# Altium PCB LJ_Mosfet_Power.PcbDoc (part 1 of 5) (continued)
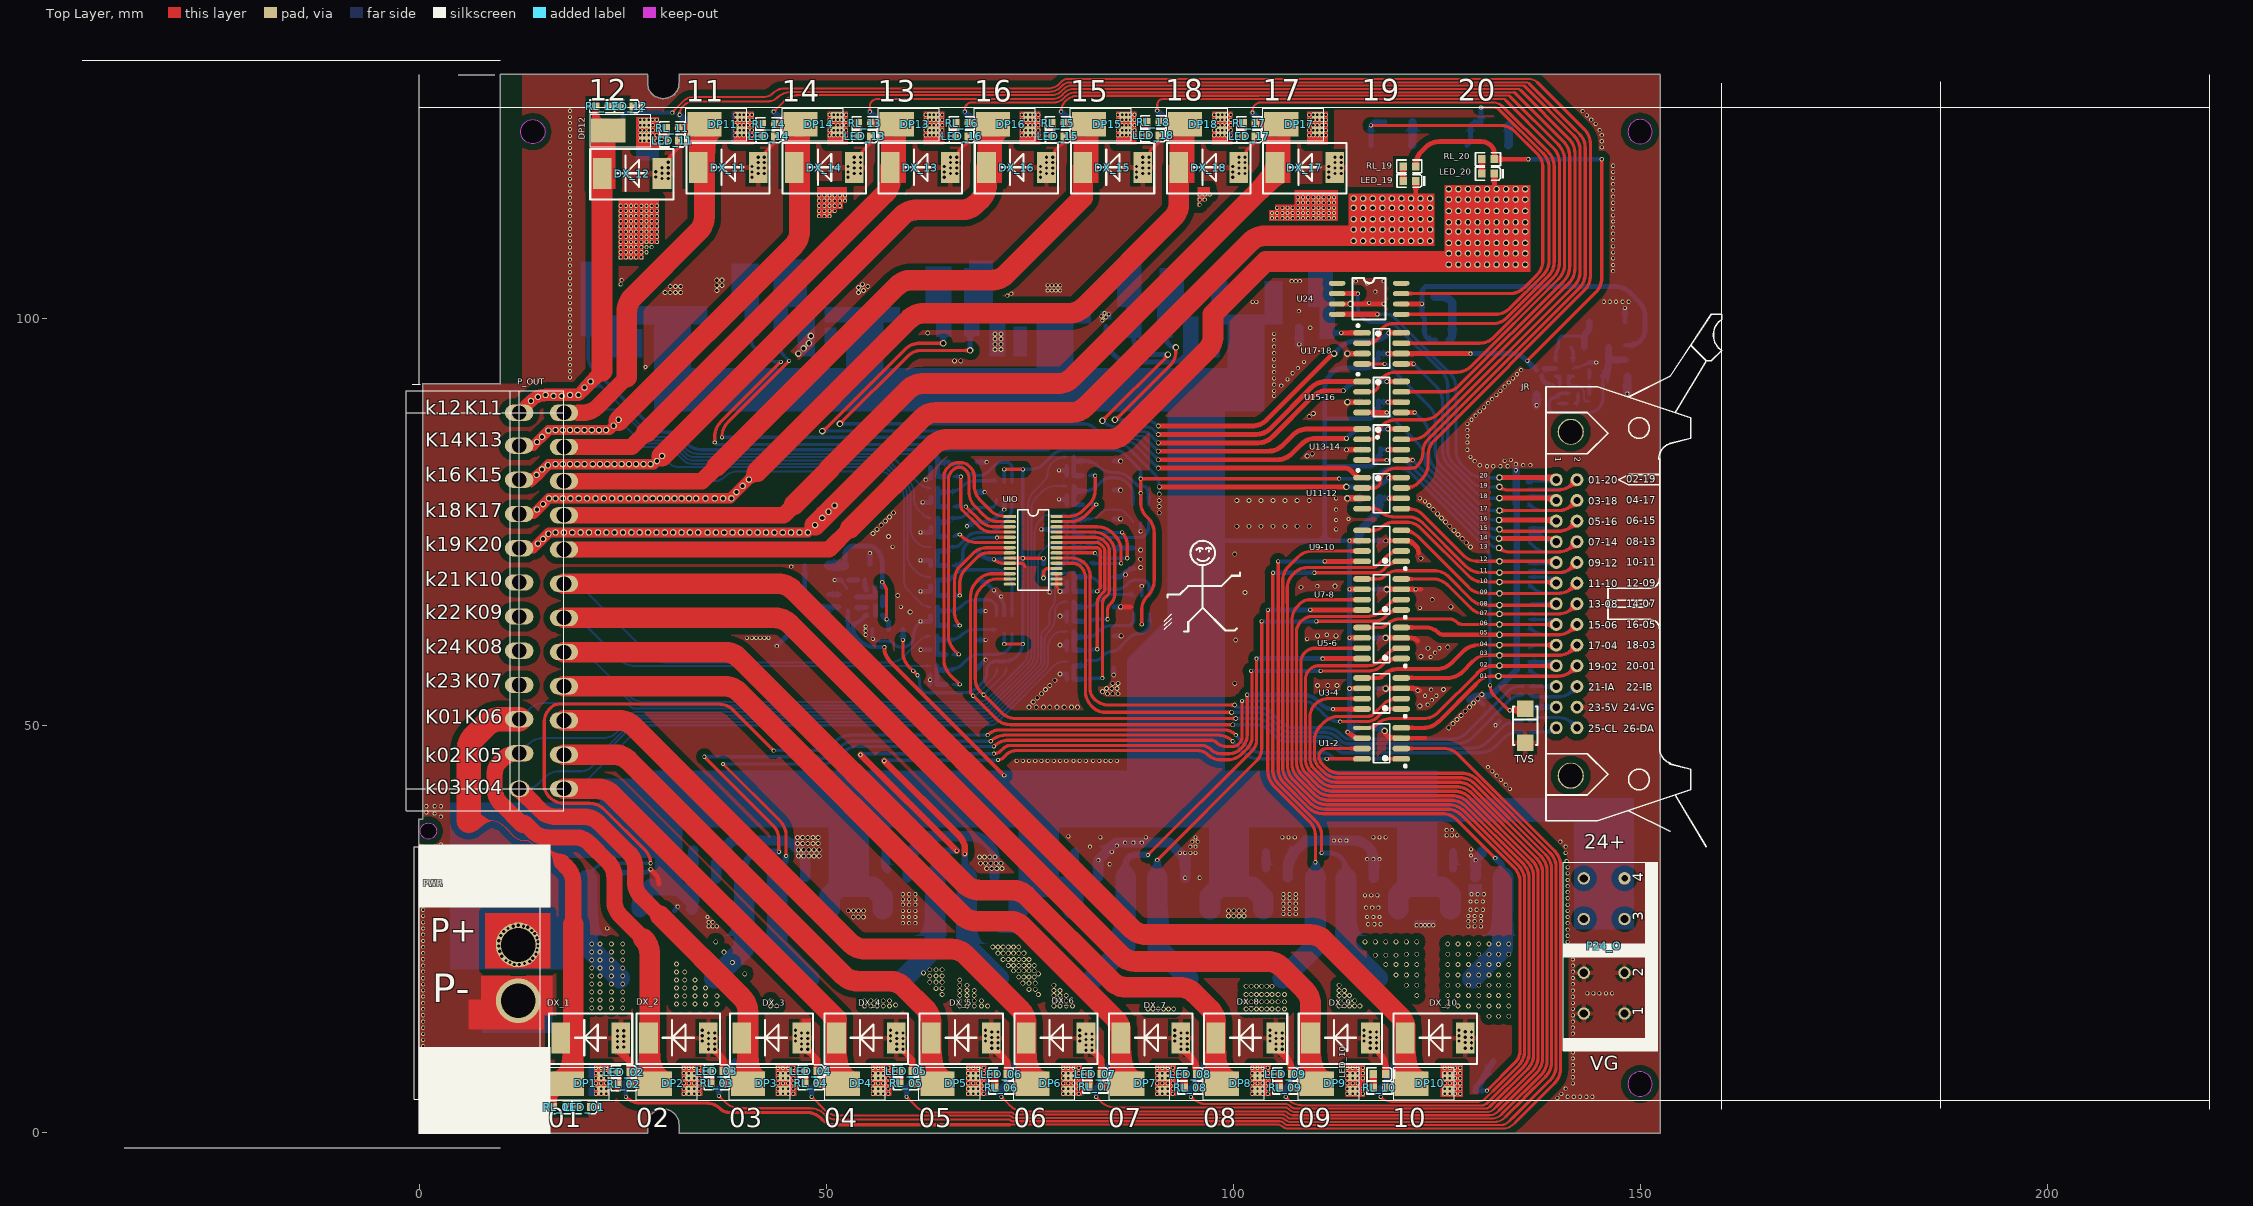
[diagram p0: Top Layer view]
## Components (designator, comment, footprint, x,y, rotation, side; value= is the part's Value field where it differs from the comment) (continued)
PWR "2W202" 2W2公90度带支架锁螺丝 -0.608,35.17 r270 top locked
QP1 "STB120NF10" "DPAK2 /to263"#1 24.638,19 r180 bottom
QP2 "STB120NF10" "DPAK2 /to263"#1 36.28,19 r180 bottom
QP3 "STB120NF10" "DPAK2 /to263"#1 47.921,19 r180 bottom
QP4 "STB120NF10" "DPAK2 /to263"#1 59.563,19 r180 bottom
QP5 "STB120NF10" "DPAK2 /to263"#2 71.205,19 r180 bottom
QP6 "STB120NF10" "DPAK2 /to263"#1 82.846,19 r180 bottom
QP7 "STB120NF10" "DPAK2 /to263"#1 94.488,19 r180 bottom
QP8 "STB120NF10" "DPAK2 /to263"#1 106.13,19 r180 bottom
QP9 "STB120NF10" "DPAK2 /to263"#1 117.771,19 r180 bottom
QP10 "STB120NF10" "DPAK2 /to263"#1 129.413,19 r180 bottom
QP11 "STB120NF10" "DPAK2 /to263"#1 36.905,111.109 r0 bottom
QP12 "STB120NF10" "DPAK2 /to263"#1 25.11,111.109 r0 bottom
QP13 "STB120NF10" "DPAK2 /to263"#1 60.494,111.109 r0 bottom
QP14 "STB120NF10" "DPAK2 /to263"#1 48.699,111.109 r0 bottom
QP15 "STB120NF10" "DPAK2 /to263"#1 84.084,111.109 r0 bottom
QP16 "STB120NF10" "DPAK2 /to263"#1 72.289,111.109 r0 bottom
QP17 "STB120NF10" "DPAK2 /to263"#1 107.673,111.109 r0 bottom
QP18 "STB120NF10" "DPAK2 /to263"#1 95.879,111.109 r0 bottom
QP19 "STB120NF10" "DPAK2 /to263"#1 119.468,111.109 r0 bottom
QP20 "STB120NF10" "DPAK2 /to263"#1 131.263,111.109 r0 bottom
R1 "1KΩ (1001) ±1%" 0402_R 81.998,73.644 r180 bottom
R1-2 "1KΩ (1001) ±1%" 0805_R 33.655,31.48 r90 bottom
R2 "15KΩ (1502) ±1%" 0402_R 79.994,73.644 r0 bottom
R3 "100KΩ (1003) ±1%" 0402_R 79.994,75.93 r180 bottom
R3-4 "1KΩ (1001) ±1%" 0805_R 57.531,31.48 r90 bottom
R4 "1KΩ (1001) ±1%" 0402_R 82.042,66.532 r180 bottom
R5 "15KΩ (1502) ±1%" 0402_R 79.994,66.532 r0 bottom
R5-6 "1KΩ (1001) ±1%" 0805_R 80.899,31.48 r90 bottom
R6 "100KΩ (1003) ±1%" 0402_R 79.994,68.818 r180 bottom
R7 "1KΩ (1001) ±1%" 0402_R 81.915,59.293 r180 bottom
R7-8 "1KΩ (1001) ±1%" 0805_R 104.267,31.48 r90 bottom
R8 "15KΩ (1502) ±1%" 0402_R 79.994,59.293 r0 bottom
R9 "100KΩ (1003) ±1%" 0402_R 79.994,61.579 r180 bottom
R9-10 "1KΩ (1001) ±1%" 0805_R 127.254,31.48 r90 bottom
R10 "1KΩ (1001) ±1%" 0402_R 81.915,55.737 r180 bottom
R11 "15KΩ (1502) ±1%" 0402_R 79.994,55.737 r0 bottom
R11-12 "1KΩ (1001) ±1%" 0805_R 26.67,99.043 r270 bottom
R12 "100KΩ (1003) ±1%" 0402_R 79.994,57.896 r180 bottom
R13 "1KΩ (1001) ±1%" 0402_R 82.042,62.849 r180 bottom
R13-14 "1KΩ (1001) ±1%" 0805_R 50.546,99.298 r270 bottom
R14 "15KΩ (1502) ±1%" 0402_R 79.994,62.849 r0 bottom
R15 "100KΩ (1003) ±1%" 0402_R 79.994,65.262 r180 bottom
R15-16 "1KΩ (1001) ±1%" 0805_R 73.787,99.298 r270 bottom
R16 "1KΩ (1001) ±1%" 0402_R 82.058,70.088 r180 bottom
R17 "15KΩ (1502) ±1%" 0402_R 79.994,70.088 r0 bottom
R17-18 "1KΩ (1001) ±1%" 0805_R 97.536,99.044 r270 bottom
R18 "100KΩ (1003) ±1%" 0402_R 79.994,72.374 r180 bottom
R19 "1KΩ (1001) ±1%" 0402_R 81.915,77.2 r180 bottom
R20 "15KΩ (1502) ±1%" 0402_R 79.994,77.2 r0 bottom
R21 "100KΩ (1003) ±1%" 0402_R 79.994,79.486 r180 bottom
R22 "1KΩ (1001) ±1%" 0402_R 81.943,80.756 r180 bottom
R23 "15KΩ (1502) ±1%" 0402_R 79.994,80.756 r0 bottom
R24 "100KΩ (1003) ±1%" 0402_R 79.994,83.042 r180 bottom
R25 "1KΩ (1001) ±1%" 0402_R 65.2,55.102 r180 bottom
R26 "15KΩ (1502) ±1%" 0402_R 63.202,55.102 r0 bottom
R27 "100KΩ (1003) ±1%" 0402_R 63.202,57.388 r180 bottom
R28 "1KΩ (1001) ±1%" 0402_R 65.151,58.785 r180 bottom
R29 "15KΩ (1502) ±1%" 0402_R 63.23,58.785 r0 bottom
R30 "100KΩ (1003) ±1%" 0402_R 63.23,61.071 r180 bottom
R31 "1KΩ (1001) ±1%" 0402_R 65.278,76.946 r180 bottom
R32 "15KΩ (1502) ±1%" 0402_R 63.312,76.946 r0 bottom
R33 "100KΩ (1003) ±1%" 0402_R 63.312,79.232 r180 bottom
R34 "1KΩ (1001) ±1%" 0402_R 65.278,80.629 r180 bottom
R35 "15KΩ (1502) ±1%" 0402_R 63.246,80.629 r0 bottom
R36 "100KΩ (1003) ±1%" 0402_R 63.246,82.915 r180 bottom
R37 "1KΩ (1001) ±1%" 0402_R 65.151,69.707 r180 bottom
R38 "15KΩ (1502) ±1%" 0402_R 63.246,69.707 r0 bottom
R39 "100KΩ (1003) ±1%" 0402_R 63.268,71.993 r180 bottom
R40 "1KΩ (1001) ±1%" 0402_R 65.278,73.263 r180 bottom
R41 "15KΩ (1502) ±1%" 0402_R 63.312,73.263 r0 bottom
R42 "100KΩ (1003) ±1%" 0402_R 63.312,75.549 r180 bottom
R43 "1KΩ (1001) ±1%" 0402_R 65.278,62.341 r180 bottom
R44 "15KΩ (1502) ±1%" 0402_R 63.246,62.341 r0 bottom
R45 "100KΩ (1003) ±1%" 0402_R 63.246,64.627 r180 bottom
R46 "1KΩ (1001) ±1%" 0402_R 65.278,66.024 r180 bottom
R47 "15KΩ (1502) ±1%" 0402_R 63.274,66.024 r0 bottom
R48 "100KΩ (1003) ±1%" 0402_R 63.274,68.31 r180 bottom
R_J5V "0Ω (0R0) ±1%" 0805_R 136.144,52.181 r0 bottom
RA1 "100KΩ (1003) ±1%" 0402_R 54.991,64.119 r270 bottom
RA2 "120KΩ (1203) ±1%" 0402_R 56.481,65.897 r0 bottom
RA3 "3.9KΩ(3901) ±1%" 0402_R 56.481,64.754 r180 bottom
RA4 "100Ω (1000) ±1%" 0402_R 56.481,63.611 r0 bottom
RA5 "22KΩ (2202) ±1%" 0402_R 54.957,66.278 r90 bottom
RA6 "1.5KΩ (1501) ±1%" 0402_R 54.322,67.929 r180 bottom
RA7 "200Ω (2000) ±1%" 0402_R 52.29,67.929 r180 bottom
RA8 "0Ω (0R0) ±1%" 0805_R 58.548,61.833 r0 bottom
RB1 "100KΩ (1003) ±1%" 0402_R 139.7,91.805 r180 bottom
RB2 "120KΩ (1203) ±1%" 0402_R 142.367,91.297 r270 bottom
RB3 "3.9KΩ(3901) ±1%" 0402_R 141.517,89.602 r180 bottom
RB4 "100Ω (1000) ±1%" 0402_R 139.954,90.027 r90 bottom
RB5 "5.1KΩ (5101) ±1%" 0402_R 143.764,90.281 r90 bottom
RB6 "3.3KΩ (3301) ±1%" 0402_R 143.764,92.269 r90 bottom
RB7 "470Ω (4700) ±1%" 0402_R 143.764,94.218 r90 bottom
RB8 "0Ω (0R0) ±1%" 0805_R 148.209,95.869 r90 bottom
RI1 "10KΩ (1002) ±1%" 0402_R 76.708,69.453 r90 bottom
RI2 "10KΩ (1002) ±1%" 0402_R 70.993,57.515 r90 bottom
RI3 "10KΩ (1002) ±1%" 0402_R 72.136,57.515 r90 bottom
RI4 "10KΩ (1002) ±1%" 0402_R 131.064,52.308 r135 bottom
RI5 "10KΩ (1002) ±1%" 0402_R 132.461,50.911 r315 bottom
RI6 "0Ω (0R0) ±1%" 0402_R 136.017,54.975 r0 bottom
RI7 "0Ω (0R0) ±1%" 0402_R 136.017,53.832 r0 bottom
RI8 "0Ω (0R0) ±1%" 0402_R 136.017,49.26 r180 bottom
RI9 "0Ω (0R0) ±1%" 0402_R 136.017,50.53 r180 bottom
RL_01 "20KΩ (2002) ±1%" 0603_R 17.272,3.159 r180 top
RL_02 "20KΩ (2002) ±1%" 0603_R 25.146,5.953 r0 top
RL_03 "20KΩ (2002) ±1%" 0603_R 36.576,6.08 r0 top
RL_04 "20KΩ (2002) ±1%" 0603_R 48.133,6.08 r0 top
RL_05 "20KΩ (2002) ±1%" 0603_R 59.817,6.08 r0 top
RL_06 "20KΩ (2002) ±1%" 0603_R 71.501,5.572 r0 top
RL_07 "20KΩ (2002) ±1%" 0603_R 83.058,5.699 r0 top
RL_08 "20KΩ (2002) ±1%" 0603_R 94.742,5.572 r0 top
RL_09 "20KΩ (2002) ±1%" 0603_R 106.426,5.572 r0 top
RL_10 "20KΩ (2002) ±1%" 0603_R 117.983,5.572 r0 top
RL_11 "20KΩ (2002) ±1%" 0603_R 31.115,123.428 r0 top
RL_12 "20KΩ (2002) ±1%" 0603_R 22.479,126.095 r180 top
RL_13 "20KΩ (2002) ±1%" 0603_R 54.737,124.063 r0 top
RL_14 "20KΩ (2002) ±1%" 0603_R 42.926,123.936 r0 top
RL_15 "20KΩ (2002) ±1%" 0603_R 78.486,124.063 r0 top
RL_16 "20KΩ (2002) ±1%" 0603_R 66.675,124.063 r0 top
RL_17 "20KΩ (2002) ±1%" 0603_R 101.981,124.063 r0 top
RL_18 "20KΩ (2002) ±1%" 0603_R 90.17,124.19 r0 top
RL_19 "20KΩ (2002) ±1%" 0603_R 121.658,118.729 r0 top
RL_20 "20KΩ (2002) ±1%" 0603_R 131.318,119.618 r0 top
RP1-4 "10KΩ (103) ±5%" 0603_Rx4 135.628,58.258 r270 bottom
RP5-8 "10KΩ (103) ±5%" 0603_Rx4 135.628,63.482 r270 bottom
RP9-12 "10KΩ (103) ±5%" 0603_Rx4 135.628,68.705 r270 bottom
RP13-16 "10KΩ (103) ±5%" 0603_Rx4 135.628,73.929 r270 bottom
RP17-20 "10KΩ (103) ±5%" 0603_Rx4 135.517,78.66 r270 bottom
RQ1 "0.01Ω(R010) ±1% 1W" R2512 24.18,27.538 r0 bottom
RQ2 "0.01Ω(R010) ±1% 1W" R2512 36.957,27.538 r0 bottom
RQ3 "0.01Ω(R010) ±1% 1W" R2512 47.498,27.538 r0 bottom
RQ4 "0.01Ω(R010) ±1% 1W" R2512 60.452,27.538 r0 bottom
RQ5 "0.01Ω(R010) ±1% 1W" R2512 70.739,27.538 r0 bottom
RQ6 "0.01Ω(R010) ±1% 1W" R2512 83.82,27.538 r0 bottom
RQ7 "0.01Ω(R010) ±1% 1W" R2512 94.234,27.538 r0 bottom
RQ8 "0.01Ω(R010) ±1% 1W" R2512 107.188,27.538 r0 bottom
RQ9 "0.01Ω(R010) ±1% 1W" R2512 117.348,27.538 r0 bottom
RQ10 "0.01Ω(R010) ±1% 1W" R2512 130.175,27.543 r0 bottom
RQ11 "0.01Ω(R010) ±1% 1W" R2512 37.338,102.981 r180 bottom
RQ12 "0.01Ω(R010) ±1% 1W" R2512 24.384,102.981 r180 bottom
RQ13 "0.01Ω(R010) ±1% 1W" R2512 60.96,102.981 r180 bottom
RQ14 "0.01Ω(R010) ±1% 1W" R2512 48.006,102.981 r180 bottom
RQ15 "0.01Ω(R010) ±1% 1W" R2512 84.328,102.981 r180 bottom
RQ16 "0.01Ω(R010) ±1% 1W" R2512 71.374,102.981 r180 bottom
RQ17 "0.01Ω(R010) ±1% 1W" R2512 107.823,102.981 r180 bottom
RQ18 "0.01Ω(R010) ±1% 1W" R2512 94.869,102.981 r180 bottom
SA1 "CMS01" M-FLAT 48.099,61.96 r0 bottom
SB1 "CMS01" M-FLAT 145.923,99.679 r180 bottom
TVS "US1M" SMA(DO-214AC)_S1 135.89,50.022 r270 top
U1-2 "LTC1255CS8" LC-SOIC-8_150mil#1 118.25,47.863 r90 top
U3-4 "LTC1255CS8" LC-SOIC-8_150mil#2 118.25,53.991 r90 top
U5-6 "LTC1255CS8" LC-SOIC-8_150mil#2 118.25,60.182 r90 top
U7-8 "LTC1255CS8" LC-SOIC-8_150mil#2 118.25,66.151 r90 top
U9-10 "LTC1255CS8" LC-SOIC-8_150mil#2 118.25,72.12 r90 top
U11-12 "LTC1255CS8" LC-SOIC-8_150mil#2 118.25,78.597 r270 top
U13-14 "LTC1255CS8" LC-SOIC-8_150mil#2 118.25,84.566 r270 top
U15-16 "LTC1255CS8" LC-SOIC-8_150mil#2 118.25,90.408 r270 top
U17-18 "LTC1255CS8" LC-SOIC-8_150mil#2 118.25,96.377 r270 top
U24 "TC4427" SOIC8 116.713,102.473 r0 top
U-05 "BL9342" SOT23-6 52.671,65.262 r180 bottom
U-12 "BL9342" SOT23-6 140.697,93.903 r90 bottom
UIO "MCP23017-E/SO" SSOP28 75.438,71.612 r0 top
ZD1 "LBZT52C12T1G" SOD123 22,5.826 r180 bottom
ZD2 "LBZT52C12T1G" SOD123 33.43,5.191 r180 bottom
ZD3 "LBZT52C12T1G" SOD123 44.831,5.191 r180 bottom
ZD4 "LBZT52C12T1G" SOD123 56.479,5.191 r180 bottom
ZD5 "LBZT52C12T1G" SOD123 68.126,5.191 r180 bottom
ZD6 "LBZT52C12T1G" SOD123 79.774,5.191 r180 bottom
ZD7 "LBZT52C12T1G" SOD123 91.422,5.191 r180 bottom
ZD8 "LBZT52C12T1G" SOD123 103.07,5.191 r180 bottom
ZD9 "LBZT52C12T1G" SOD123 114.717,5.191 r180 bottom
ZD10 "LBZT52C12T1G" SOD123 126.365,5.191 r180 bottom
ZD11 "LBZT52C12T1G" SOD123 39.497,124.19 r0 bottom
ZD12 "LBZT52C12T1G" SOD123 27.686,124.19 r0 bottom
ZD13 "LBZT52C12T1G" SOD123 63.119,124.19 r0 bottom
ZD14 "LBZT52C12T1G" SOD123 51.308,124.19 r0 bottom
ZD15 "LBZT52C12T1G" SOD123 86.741,124.19 r0 bottom
ZD16 "LBZT52C12T1G" SOD123 74.93,124.19 r0 bottom
ZD17 "LBZT52C12T1G" SOD123 110.363,124.19 r0 bottom
ZD18 "LBZT52C12T1G" SOD123 98.552,124.19 r0 bottom
ZD19 "LBZT52C12T1G" SOD123 122.047,124.19 r0 bottom
ZD20 "LBZT52C12T1G" SOD123 133.858,124.19 r0 bottom
ZM01 "ZMM3V3" LL-34 83.566,75.422 r0 bottom
ZM02 "ZMM3V3" LL-34 83.566,68.31 r0 bottom
ZM03 "ZMM3V3" LL-34 83.566,61.071 r0 bottom
ZM04 "ZMM3V3" LL-34 83.566,57.515 r0 bottom
ZM05 "ZMM3V3" LL-34 83.566,64.627 r0 bottom
ZM06 "ZMM3V3" LL-34 83.566,71.866 r0 bottom
ZM07 "ZMM3V3" LL-34 83.566,78.978 r0 bottom
ZM08 "ZMM3V3" LL-34 83.566,82.534 r0 bottom
ZM09 "ZMM3V3" LL-34 66.724,56.88 r0 bottom
ZM10 "ZMM3V3" LL-34 66.675,60.563 r0 bottom
ZM11 "ZMM3V3" LL-34 66.802,78.724 r0 bottom
ZM12 "ZMM3V3" LL-34 66.802,82.407 r0 bottom
ZM13 "ZMM3V3" LL-34 66.802,71.485 r0 bottom
ZM14 "ZMM3V3" LL-34 66.802,75.041 r0 bottom
ZM15 "ZMM3V3" LL-34 66.802,64.119 r0 bottom
ZM16 "ZMM3V3" LL-34 66.83,67.929 r0 bottom

## Footprints (in the part's own frame and the unit in brackets; to place one, negate y for a bottom-side part, rotate by r counter-clockwise, add the part's x,y. Pads: shape width x height; smd on the part's side, far side on the other; paste and mask are expansions set on the pad)
2W2公90度带支架锁螺丝 [mm] "2W2公90度带支架锁螺丝"
  round 5.5 hole 4.2: 1(18.93,12.8) 2(12.07,12.8)
  round 3 hole 3 slot 3.01 at 0 deg unplated: 3(3,12.2)
  round 4.5 hole 3: 4(28,12.2)
  silkscreen extent 0,0 31,15.5
0402_C [mm]
  rect 0.6x0.65 smd mask+0.051: 1(-0.425,0) 2(0.425,0)
  silkscreen extent -0.97,-0.58 0.98,0.58, body extent -0.48,-0.3 0.52,0.3, height 0.2
0402_R [mm]
  rect 0.6x0.65 smd mask+0.051: 1(-0.425,0) 2(0.425,0)
  silkscreen extent -0.97,-0.58 0.97,0.58, body extent -0.58,-0.27 0.57,0.28, height 0.41
0603_C [mm]
  rect 0.93x0.98 smd: 1(-0.77,0) 2(0.77,0)
  silkscreen extent -1.53,-0.79 1.54,0.79, body extent -0.8,-0.4 0.8,0.4, height 0.3
0603_LED_S1 [mm]
  rect 0.93x0.98 smd: A(0.77,0) K(-0.77,0)
  silkscreen extent -1.98,-0.79 1.54,0.79, body extent -0.8,-0.4 0.8,0.4, height 0.6
0603_R [mm]
  rect 0.93x0.98 smd: 1(-0.77,0) 2(0.77,0)
  silkscreen extent -1.53,-0.79 1.54,0.79, body extent -0.85,-0.4 0.85,0.4, height 0.56
0603_Rx4 [mm]
  rect 0.75x0.8 smd mask+0.051: 1(-1.35,-0.77) 4(1.35,-0.77) 5(1.35,0.77) 8(-1.35,0.77)
  rect 0.58x0.8 smd mask+0.051: 2(-0.4,-0.77) 3(0.4,-0.77) 6(0.4,0.77) 7(-0.4,0.77)
  silkscreen extent -2.02,-1.47 2.03,1.47, body extent -1.6,-0.8 1.6,0.8, height 0.55
0805_C [mm]
  rect 1.16x1.47 smd: 1(-0.89,0) 2(0.89,0)
  silkscreen extent -1.77,-1.04 1.77,1.04, body extent -1,-0.63 1,0.62, height 0.77
0805_R [mm]
  rect 1.16x1.47 smd: 1(-0.89,0) 2(0.89,0)
  silkscreen extent -1.77,-1.04 1.77,1.03, body extent -1,-0.63 1,0.63, height 0.49
1206_C [mm]
  rect 1.13x1.8 smd: 1(-1.49,0) 2(1.49,0)
  silkscreen extent -2.36,-1.2 2.35,1.2, body extent -1.6,-0.81 1.6,0.79, height 1
1206_L [mm]
  rect 1.13x1.8 smd: 1(-1.49,0) 2(1.49,0)
  silkscreen extent -2.36,-1.2 2.35,1.2
5569_24P [mm] "连接器 接插件5557-5569双排塑壳电脑延长线接线端子 弯针座"
  oval 2x2.5 hole 1.8: 1(48.9,13.9)
  oval 2x3.5 hole 1.8: 2(44.54,13.9) 3(40.34,13.9) 4(36.14,13.9) 5(31.94,13.9) 6(27.74,13.9) 7(23.54,13.9) 8(19.34,13.9) 9(15.14,13.9) 10(10.94,13.9) 11(6.74,13.9) 12(2.7,13.9) 13(48.9,19.4) 14(44.7,19.4) 15(40.5,19.4) 16(36.3,19.4) 17(32.1,19.4) 18(27.9,19.4) 19(23.7,19.4) 20(19.5,19.4) 21(15.3,19.4) 22(11.1,19.4) 23(6.9,19.4) 24(2.7,19.4)
  silkscreen extent 0,0 51.6,19.4
C1210 [mil]
  rect 60x100 smd: 1(-62,6) 2(73,6)
  silkscreen extent -115,-60 126,72, body extent -73,-44 85,54, height 67
"DPAK2 /to263"#1 [mm]
  rect 2.032x3.556 smd: 1(-2.54,-10.2) 3(2.54,-10.2)
  rect 10.5x10.5 smd: 2(0,0)
  silkscreen extent -5.33,-5.33 5.33,5.84
"DPAK2 /to263"#2 [mm]
  rect 2.032x3.556 smd: 1(-2.54,-10.2) 3(2.54,-10.2)
  rect 10.5x9.5 smd: 2(0,-0.5)
  silkscreen extent -5.33,-5.33 5.33,5.84
FKV26HR [mil]
  round 62 hole 35: 1(0,0) 2(0,100) 3(100,0) 4(100,100) 5(200,0) 6(200,100) 7(300,0) 8(300,100) 9(400,0) 10(400,100) 11(500,0) 12(500,100) 13(600,0) 14(600,100) 15(700,0) 16(700,100) 17(800,0) 18(800,100) 19(900,0) 20(900,100) 21(1000,0) 22(1000,100) 23(1100,0) 24(1100,100) 25(1200,0) 26(1200,100)
  round 126 hole 116: BO1(1431.67,70) BO2(-231.67,70)
  silkscreen extent -800,-50 1775,800
KF235-5.0-4P [mm] "快速按压式接线柱kf235-5.0mm铜pcb接线端子排电线连接器"
  round 1.524 hole 1: 1(3,7.5) 1(3,2.5) 2(8,2.5) 2(8,7.5) 3(14.6,2.5) 3(14.6,7.5) 4(19.6,7.5)
  round 1.524 hole 0.8: 4(19.6,2.5)
  silkscreen extent -1.6,-1.6 21.6,10
LC-SOIC-8_150mil#1 [mm]
  oval 0.7x2.2 smd: 1(-1.905,-2.4) 2(-0.635,-2.4) 3(0.635,-2.4) 4(1.905,-2.4) 6(0.635,2.4) 7(-0.635,2.4) 8(-1.905,2.4)
  oval 0.5x2.2 smd: 5(1.905,2.4)
  silkscreen extent -2.95,-3.05 2.4,1
LC-SOIC-8_150mil#2 [mm]
  oval 0.7x2.2 smd: 1(-1.905,-2.4) 2(-0.635,-2.4) 3(0.635,-2.4) 4(1.905,-2.4) 5(1.905,2.4) 6(0.635,2.4) 7(-0.635,2.4) 8(-1.905,2.4)
  silkscreen extent -2.95,-3.05 2.4,1
LL-34 [mm]
  rect 0.9x1.5 smd: 1(1.75,0) 2(-1.75,0)
  silkscreen extent -1.8,-1.08 1.8,1.08
M-FLAT [mm]
  rect 1.4x2 smd: 1(-2.2,0) 2(2.2,0)
  silkscreen extent -3.32,-1.43 3.52,1.34
R2512 [mm] "1W"
  rect 2x3.2 smd: 1(-3.479,0.051) 2(2.921,0.051)
  silkscreen extent -4.85,-1.93 4.29,2.06, body extent -3.48,-1.55 2.92,1.65, height 0.6
SMA(DO-214AC)_S1 [mm]
  rect 2x2 smd: 1(2.1,0) 2(-2.1,0)
  silkscreen extent -2.35,-1.5 2.35,1.5
SMC [mil] "DO-214AB(2114)"
  rect 90x149.84 smd: 1(0,0)
  rect 90x149.63 smd: 2(290,-1)
  silkscreen extent -56,-120 347,125, body extent -15,-117 305,127, height 106
SOD123 [mm] "1206"
  rect 1.6x0.85 smd: 1(0,0) 2(-3.4,0)
  silkscreen extent -3.15,-0.9 1.6,0.9, body extent -3.6,-0.85 0.25,0.85, height 1.42
SOIC8 [mil]
  oval 80x24 smd: 1(-155,75) 2(-155,25) 3(-155,-25) 4(-155,-75) 5(155,-75) 6(155,-25) 7(155,25) 8(155,75)
  silkscreen extent -80,-100 80,100, body extent -167,-106 163,106, height 91
SOT23-6 [mm] "SOT-23/SC-74A; 5 Leads; Body 3.1 x 3 mm, inc. leads (LxW max)"
  rect 0.55x1.45 smd: 1(0.95,1.075) 2(0,1.075) 3(-0.95,1.075) 4(-0.95,-1.075) 5(0,-1.075) 6(0.95,-1.075)
  silkscreen extent -1.55,-0.9 1.72,1.88, body extent -1.4,-1.19 1.4,1.23, height 1.08
SSOP28 [mm]
  rect 1.5x0.4 smd: 1(-2.869,4.127)
  oval 1.5x0.4 smd: 2(-2.869,3.488) 3(-2.869,2.848) 4(-2.869,2.208) 5(-2.869,1.568) 6(-2.869,0.928) 7(-2.869,0.288) 8(-2.869,-0.352) 9(-2.869,-0.992) 10(-2.869,-1.631) 11(-2.869,-2.271) 12(-2.869,-2.911) 13(-2.869,-3.551) 14(-2.87,-4.191) 15(2.869,-4.191) 16(2.869,-3.551) 17(2.869,-2.911) 18(2.869,-2.271) 19(2.869,-1.631) 20(2.869,-0.992) 21(2.869,-0.352) 22(2.869,0.288) 23(2.869,0.928) 24(2.869,1.568) 25(2.869,2.208) 26(2.869,2.848) 27(2.869,3.488) 28(2.869,4.127)
  silkscreen extent -1.91,-4.97 1.93,4.97, body extent -3.27,-4.89 3.33,4.91, height 1.05
TO-277B [mm] "SB1045L-TO-277超低功耗肖特基二极管"
  rect 1.4x1.2 smd: 1(6.731,2.921) 1(6.731,1.143)
  rect 4.2x3 smd: 2(2.286,2)
  silkscreen extent 0,0 7.5,4

## Part data
C00 C02 C03 C04 C05 C06 C07 C08 C09 C10 C11 C12 C13 C14 C15 C16: library part "0402 100nF (104) 10% 16V", "贴片电容", Package=0402, SuppliersPartNumber=C1525, ComponentLink1Description=供应商链接, ComponentLink1URL=http://www.szlcsc.com/product/details_1877.html, Supplier=LC
C1-2 C3-4 C5-6 C7-8 C9-10 C11-12 C13-14 C15-16 C17-18 CQ20: library part C, "贴片电容", Package=C1210, VAL="贴片电容10UF 100V 1210 106K 10% X7R 无极性电容10UF C3225陶瓷"
CA1 CB1: library part "0603 1uF (105) 10% 50V", "贴片电容", Package=0603, SuppliersPartNumber=C15849, ComponentLink1Description=供应商链接, ComponentLink1URL=http://www.szlcsc.com/product/details_16531.html, Supplier=LC
CA2: library part "0402 47pF (470) 5% 50V", "贴片电容", Package=0402, SuppliersPartNumber=C1567, ComponentLink1Description=供应商链接, ComponentLink1URL=http://www.szlcsc.com/product/details_1919.html, Supplier=LC
CA3 CA4 CB3 CB4: library part "1206 10uF (106) 10% 50V", "贴片电容", Package=1206, SuppliersPartNumber=C13585, ComponentLink1Description=供应商链接, ComponentLink1URL=http://www.szlcsc.com/product/details_14236.html, Supplier=LC
CB2: library part "0402 33pF (330) 5% 50V", "贴片电容", Package=0402, SuppliersPartNumber=C1562, ComponentLink1Description=供应商链接, ComponentLink1URL=http://www.szlcsc.com/product/details_1914.html, Supplier=LC
CI1 CQ19: library part "0603 100nF (104) 10% 50V", "贴片电容", Package=0603, SuppliersPartNumber=C14663, ComponentLink1Description=供应商链接, ComponentLink1URL=http://www.szlcsc.com/product/details_15331.html, Supplier=LC, VAL=0.1uF
CQ1 CQ2 CQ3 CQ4 CQ5 CQ6 CQ7 CQ8 CQ9 CQ10 CQ11 CQ12 CQ13 CQ14 CQ15 CQ16 CQ17 CQ18: library part C, Package=C1210, VAL="贴片电容10UF 100V 1210 106K 10% X7R 无极性电容10UF C3225陶瓷"
CU1-2 CU3-4 CU5-6 CU7-8 CU9-10 CU11-12 CU13-14 CU15-16 CU17-18 CU24: library part "0805 1uF (105) 10% 50V", "贴片电容", Package=0805, SuppliersPartNumber=C28323, ComponentLink1Description=供应商链接, ComponentLink1URL=http://www.szlcsc.com/product/details_29074.html, Supplier=LC
D1-2 D3-4 D5-6 D7-8 D9-10 D11-12 D13-14 D15-16 D17-18: library part "LL-34 ZMM5V6", "稳压二极管", Package=LL-34, SuppliersPartNumber=C118707, ComponentLink1Description=供应商链接, ComponentLink1URL=http://www.szlcsc.com/product/details_119974.html, Supplier=LC, VAL=ZMM5255B
DP1 DP2 DP3 DP4 DP5 DP6 DP7 DP8 DP9 DP10 DP11 DP12 DP13 DP14 DP15 DP16 DP17 DP18: library part Diode, "SB1045L-TO-277超低功耗肖特基二极管", Package=TO-277B
DX_1 DX_2 DX_3 DX_4 DX_5 DX_6 DX_7 DX_8 DX_9 DX_10 DX_11 DX_12 DX_13 DX_14 DX_15 DX_16 DX_17: library part D, Package=DO-214AB(2114)/SMC, VAL=US5M
DX_18: library part D, "超快恢复二极管", Package=DO-214AB(2114)/SMC, VAL=US5M
ESD1 ESD2 ESD3 ESD4: library part SRV05-4-P-T7_[C85364], "TVS", Package=SOT-23-6, SuppliersPartNumber=C85364, ComponentLink1Description=供应商链接, ComponentLink1URL=http://www.szlcsc.com/product/details_86537.html, Supplier=LC
JR: "Header, 13-Pin, Dual row"
LA1: library part "1206 4.7uH  10%", "贴片电感", Package=1206, SuppliersPartNumber=C1049, ComponentLink1Description=供应商链接, ComponentLink1URL=http://www.szlcsc.com/product/details_1401.html, Supplier=LC
LB1: library part "1206 10uH 10%", "贴片电感", Package=1206, SuppliersPartNumber=C1051, ComponentLink1Description=供应商链接, ComponentLink1URL=http://www.szlcsc.com/product/details_1403.html, Supplier=LC
LED_01 LED_02 LED_03 LED_04 LED_05 LED_06 LED_07 LED_08 LED_09 LED_10 LED_11 LED_12 LED_13 LED_14 LED_15 LED_16 LED_17 LED_18 LED_19 LED_20: library part LED_R, "发光二极管", Package=0603, SuppliersPartNumber=C2286, ComponentLink1Description=供应商链接, ComponentLink1URL=http://www.szlcsc.com/product/details_2659.html, Supplier=LC
P24_O: "Header, 4-Pin", LatestRevisionDate=17-Jul-2002, LatestRevisionNote="Re-released for DXP Platform.", Publisher="Altium Limited"
P_OUT: "Header, 12-Pin, Dual row"
PWR: library part "Header 4", "2W2公90度带支架锁螺丝", ComponentLink1Description=供应商链接, ComponentLink1URL=https://detail.tmall.com/item.htm?id=558445080450&spm=a1z09.2.0.0.5d8f2e8d4CXB2z&_u=i102dhvu7ca9
QP1 QP2 QP3 QP4 QP5 QP6 QP7 QP8 QP9 QP10 QP11 QP12 QP13 QP14 QP15 QP16 QP17 QP18 QP19 QP20: library part NMOS-2, "N-Channel Power MOSFET", ComponentLink1Description=供应商链接, ComponentLink1URL=http://www.st.com/content/st_com/en/products/power-transistors/power-mosfets/n-channel-stripfet-gt-30-v-to-350-v/stb120nf10.html, VAL=STB120NF10
R1 R4 R7 R10 R13 R16 R19 R22 R25 R28 R31 R34 R37 R40 R43 R46: library part "0402 1KΩ (1001) 1%", "贴片电阻", Package=0402, SuppliersPartNumber=C11702, ComponentLink1Description=供应商链接, ComponentLink1URL=http://www.szlcsc.com/product/details_12256.html, Supplier=LC
R1-2 R3-4 R5-6 R7-8 R9-10 R11-12 R13-14 R15-16 R17-18: library part "0805 1KΩ (1001) 1%", "贴片电阻", Package=0805, SuppliersPartNumber=C17513, ComponentLink1Description=供应商链接, ComponentLink1URL=http://www.szlcsc.com/product/details_18201.html, Supplier=LC
R2 R5 R8 R11 R14 R17 R20 R23 R26 R29 R32 R35 R38 R41 R44 R47: library part "0402 15KΩ (1502) 1%", "贴片电阻", Package=0402, SuppliersPartNumber=C25756, ComponentLink1Description=供应商链接, ComponentLink1URL=http://www.szlcsc.com/product/details_26499.html, Supplier=LC
R3 R6 R9 R12 R15 R18 R21 R24 R27 R30 R33 R36 R39 R42 R45 R48 RA1 RB1: library part "0402 100KΩ (1003) 1%", "贴片电阻", Package=0402, SuppliersPartNumber=C25741, ComponentLink1Description=供应商链接, ComponentLink1URL=http://www.szlcsc.com/product/details_26484.html, Supplier=LC
R_J5V RA8 RB8: library part "0805 0Ω (0R0) 1%", "贴片电阻", Package=0805, SuppliersPartNumber=C17477, ComponentLink1Description=供应商链接, ComponentLink1URL=http://www.szlcsc.com/product/details_18165.html, Supplier=LC
RA2 RB2: library part "0402 120KΩ (1203) 1%", "贴片电阻", Package=0402, SuppliersPartNumber=C25750, ComponentLink1Description=供应商链接, ComponentLink1URL=http://www.szlcsc.com/product/details_26493.html, Supplier=LC
RA3 RB3: library part "0402 3.9KΩ(3901) 1%", "贴片电阻", Package=0402, SuppliersPartNumber=C51721, ComponentLink1Description=供应商链接, ComponentLink1URL=http://www.szlcsc.com/product/details_52734.html, Supplier=LC
RA4 RB4: library part "0402 100Ω (1000) 1%", "贴片电阻", Package=0402, SuppliersPartNumber=C25076, ComponentLink1Description=供应商链接, ComponentLink1URL=http://www.szlcsc.com/product/details_25819.html, Supplier=LC
RA5: library part "0402 22KΩ (2202) 1%", "贴片电阻", Package=0402, SuppliersPartNumber=C25768, ComponentLink1Description=供应商链接, ComponentLink1URL=http://www.szlcsc.com/product/details_26511.html, Supplier=LC
RA6: library part "0402 1.5KΩ (1501) 1%", "贴片电阻", Package=0402, SuppliersPartNumber=C25867, ComponentLink1Description=供应商链接, ComponentLink1URL=http://www.szlcsc.com/product/details_26610.html, Supplier=LC
RA7: library part "0402 200Ω (2000) 1%", "贴片电阻", Package=0402, SuppliersPartNumber=C25087, ComponentLink1Description=供应商链接, ComponentLink1URL=http://www.szlcsc.com/product/details_25830.html, Supplier=LC
RB5: library part "0402 5.1KΩ (5101) 1%", "贴片电阻", Package=0402, SuppliersPartNumber=C25905, ComponentLink1Description=供应商链接, ComponentLink1URL=http://www.szlcsc.com/product/details_26648.html, Supplier=LC
RB6: library part "0402 3.3KΩ (3301) 1%", "贴片电阻", Package=0402, SuppliersPartNumber=C25890, ComponentLink1Description=供应商链接, ComponentLink1URL=http://www.szlcsc.com/product/details_26633.html, Supplier=LC
RB7: library part "0402 470Ω (4700) 1%", "贴片电阻", Package=0402, SuppliersPartNumber=C25117, ComponentLink1Description=供应商链接, ComponentLink1URL=http://www.szlcsc.com/product/details_25860.html, Supplier=LC
RI1 RI2 RI3 RI4 RI5: library part "0402 10KΩ (1002) 1%", "贴片电阻", Package=0402, SuppliersPartNumber=C25744, ComponentLink1Description=供应商链接, ComponentLink1URL=http://www.szlcsc.com/product/details_26487.html, Supplier=LC, VAL=10K
RI6 RI7 RI8 RI9: library part "0402 0Ω (0R0) 1%", "贴片电阻", Package=0402, SuppliersPartNumber=C17168, ComponentLink1Description=供应商链接, ComponentLink1URL=http://www.szlcsc.com/product/details_17853.html, Supplier=LC
RL_01 RL_02 RL_03 RL_04 RL_05 RL_06 RL_07 RL_08 RL_09 RL_10 RL_11 RL_12 RL_13 RL_14 RL_15 RL_16 RL_17 RL_18 RL_19 RL_20: library part "0603 20KΩ (2002) 1%", "贴片电阻", Package=0603, SuppliersPartNumber=C4184, ComponentLink1Description=供应商链接, ComponentLink1URL=http://www.szlcsc.com/product/details_4591.html, Supplier=LC, VAL=20KΩ_±1%
RP1-4 RP5-8 RP9-12 RP13-16 RP17-20: library part "0603*4  10KΩ (103) 5%", "贴片排阻", Package=0603*4, SuppliersPartNumber=C29718, ComponentLink1Description=供应商链接, ComponentLink1URL=http://www.szlcsc.com/product/details_30472.html, Supplier=LC
RQ1 RQ2 RQ3 RQ4 RQ5 RQ6 RQ7 RQ8 RQ9 RQ10 RQ11 RQ12 RQ13 RQ14 RQ15 RQ16 RQ17 RQ18: library part R, "贴片合金电阻", Package=R2512, SuppliersPartNumber=C105363, ComponentLink1Description=供应商链接, ComponentLink1URL=http://www.szlcsc.com/product/details_106578.html, Supplier=LC, VAL="0.01Ω(R010) ±1% 1W"
SA1 SB1: library part "D Zener", "TVS"
TVS: library part "SMA(DO-214AC) US1M", "二极管", Package=SMA(DO-214AC), SuppliersPartNumber=C5441, ComponentLink1Description=供应商链接, ComponentLink1URL=http://www.szlcsc.com/product/details_5885.html, Supplier=LC
U1-2: library part LTC1255, "24V双路高侧NMOS驱动IC", ComponentLink1Description=官网链接, ComponentLink1URL=http://www.linear.com.cn/product/ltc1255, VAL=LTC1255CS8
U3-4 U5-6 U7-8 U9-10 U11-12 U13-14 U15-16 U17-18: library part LTC1255, ComponentLink1Description=官网链接, ComponentLink1URL=http://www.linear.com.cn/product/ltc1255, VAL=LTC1255CS8
U-05 U-12: "40V, 600mA , Step-Down Converter,DC-DCоƬ", Package=SOT-23-6, SuppliersPartNumber=C93176, ComponentLink1URL=https://item.szlcsc.com/94371.html
UIO: "16-Bit I/O Expander with Serial Interface"
ZD1 ZD2 ZD3 ZD4 ZD5 ZD6 ZD7 ZD8 ZD9 ZD10 ZD11 ZD12 ZD13 ZD14 ZD15 ZD16 ZD17 ZD18 ZD19 ZD20: library part "Zener Diode", "Surface Mount Zener Diodes", Package=SOD-123, SuppliersPartNumber=C12747, ComponentLink1Description=供应商链接, ComponentLink1URL=http://www.szlcsc.com/product/details_13388.html, Supplier=LC, VAL="LBZT52C2V4T1G Series"
ZM01 ZM02 ZM03 ZM04 ZM05 ZM06 ZM07 ZM08 ZM09 ZM10 ZM11 ZM12 ZM13 ZM14 ZM15 ZM16: library part "LL-34 ZMM3V3", "稳压二极管", Package=LL-34, SuppliersPartNumber=C8056, ComponentLink1Description=供应商链接, ComponentLink1URL=http://www.szlcsc.com/product/details_8535.html, Supplier=LC

## Free pads (board coordinates)
  round 0.5 hole 0.3: 2(21.717,4.81) 2(21.717,5.445) 2(21.717,6.08) 2(21.717,6.715) 2(21.717,7.35) 2(21.717,7.985) 2(22.352,4.81) 2(22.352,5.445) 2(22.352,6.08) 2(22.352,6.715) 2(22.352,7.35) 2(22.352,7.985) 2(22.987,4.81) 2(22.987,5.445) 2(22.987,6.08) 2(22.987,6.715) 2(22.987,7.35) 2(22.987,7.985) 2(32.512,4.81) 2(32.512,5.445) 2(32.512,6.08) 2(32.512,6.715) 2(32.512,7.35) 2(32.512,7.985) 2(33.147,4.81) 2(33.147,5.445) 2(33.147,6.08) 2(33.147,6.715) 2(33.147,7.35) 2(33.147,7.985) 2(33.782,4.81) 2(33.782,5.445) 2(33.782,6.08) 2(33.782,6.715) 2(33.782,7.35) 2(33.782,7.985) 2(34.417,4.81) 2(34.417,5.445) 2(34.417,6.08) 2(34.417,6.715) 2(34.417,7.35) 2(34.417,7.985) 2(44.069,4.81) 2(44.069,5.445) 2(44.069,6.08) 2(44.069,6.715) 2(44.069,7.35) 2(44.069,7.985) 2(44.704,4.81) 2(44.704,5.445) 2(44.704,6.08) 2(44.704,6.715) 2(44.704,7.35) 2(44.704,7.985) 2(45.339,4.81) 2(45.339,5.445) 2(45.339,6.08) 2(45.339,6.715) 2(45.339,7.35) 2(45.339,7.985) 2(45.974,4.81) 2(45.974,5.445) 2(45.974,6.08) 2(45.974,6.715) 2(45.974,7.35) 2(45.974,7.985) 2(55.753,4.81) 2(55.753,5.445) 2(55.753,6.08) 2(55.753,6.715) 2(55.753,7.35) 2(55.753,7.985) 2(56.388,4.81) 2(56.388,5.445) 2(56.388,6.08) 2(56.388,6.715) 2(56.388,7.35) 2(56.388,7.985) 2(57.023,4.81) 2(57.023,5.445) 2(57.023,6.08) 2(57.023,6.715) 2(57.023,7.35) 2(57.023,7.985) 2(57.658,4.81) 2(57.658,5.445) 2(57.658,6.08) 2(57.658,6.715) 2(57.658,7.35) 2(57.658,7.985) 2(67.437,4.81) 2(67.437,5.445) 2(67.437,6.08) 2(67.437,6.715) 2(67.437,7.35) 2(67.437,7.985) 2(68.072,4.81) 2(68.072,5.445) 2(68.072,6.08) 2(68.072,6.715) 2(68.072,7.35) 2(68.072,7.985) 2(68.707,4.81) 2(68.707,5.445) 2(68.707,6.08) 2(68.707,6.715) 2(68.707,7.35) 2(68.707,7.985) 2(69.342,4.81) 2(69.342,5.445) 2(69.342,6.08) 2(69.342,6.715) 2(69.342,7.35) 2(69.342,7.985) 2(79.121,4.81) 2(79.121,5.445) 2(79.121,6.08) 2(79.121,6.715) 2(79.121,7.35) 2(79.121,7.985) 2(79.756,4.81) 2(79.756,5.445) 2(79.756,6.08) 2(79.756,6.715) 2(79.756,7.35) 2(79.756,7.985) 2(80.391,4.81) 2(80.391,5.445) 2(80.391,6.08) 2(80.391,6.715) 2(80.391,7.35) 2(80.391,7.985) 2(81.026,4.81) 2(81.026,5.445) 2(81.026,6.08) 2(81.026,6.715) 2(81.026,7.35) 2(81.026,7.985) 2(90.678,4.81) 2(90.678,5.445) 2(90.678,6.08) 2(90.678,6.715) 2(90.678,7.35) 2(90.678,7.985) 2(91.313,4.81) 2(91.313,5.445) 2(91.313,6.08) 2(91.313,6.715) 2(91.313,7.35) 2(91.313,7.985) 2(91.948,4.81) 2(91.948,5.445) 2(91.948,6.08) 2(91.948,6.715) 2(91.948,7.35) 2(91.948,7.985) 2(92.583,4.81) 2(92.583,5.445) 2(92.583,6.08) 2(92.583,6.715) 2(92.583,7.35) 2(92.583,7.985) 2(102.362,4.81) 2(102.362,5.445) 2(102.362,6.08) 2(102.362,6.715) 2(102.362,7.35) 2(102.362,7.985) 2(102.997,4.81) 2(102.997,5.445) 2(102.997,6.08) 2(102.997,6.715) 2(102.997,7.35) 2(102.997,7.985) 2(103.632,4.81) 2(103.632,5.445) 2(103.632,6.08) 2(103.632,6.715) 2(103.632,7.35) 2(103.632,7.985) 2(104.267,4.81) 2(104.267,5.445) 2(104.267,6.08) 2(104.267,6.715) 2(104.267,7.35) 2(104.267,7.985) 2(114.046,4.81) 2(114.046,5.445) 2(114.046,6.08) 2(114.046,6.715) 2(114.046,7.35) 2(114.046,7.985) 2(114.681,4.81) 2(114.681,5.445) 2(114.681,6.08) 2(114.681,6.715) 2(114.681,7.35) 2(114.681,7.985) 2(115.316,4.81) 2(115.316,5.445) 2(115.316,6.08) 2(115.316,6.715) 2(115.316,7.35) 2(115.316,7.985) 2(115.951,4.81) 2(115.951,5.445) 2(115.951,6.715) 2(115.951,7.35) 2(115.951,7.985) 2(125.984,4.81) 2(125.984,5.445) 2(125.984,6.08) 2(125.984,6.715) 2(125.984,7.35) 2(125.984,7.985) 2(126.619,4.81) 2(126.619,5.445) 2(126.619,6.08) 2(126.619,6.715) 2(126.619,7.35) 2(126.619,7.985) 2(127.254,4.81) 2(127.254,5.445) 2(127.254,6.08) 2(127.254,6.715) 2(127.254,7.35) 2(127.254,7.985) 2(127.889,4.81) 2(127.889,5.445) 2(127.889,6.08) 2(127.889,6.715) 2(127.889,7.35) 2(127.889,7.985) 3(27.178,121.904) 3(27.178,122.539) 3(27.178,123.174) 3(27.178,123.809) 3(27.178,124.444) 3(27.686,121.904) 3(27.686,122.539) 3(27.686,123.174) 3(27.686,123.809) 3(27.686,124.444) 3(28.194,121.904) 3(28.194,122.539) 3(28.194,123.174) 3(28.194,123.809) 3(28.194,124.444) 3(28.702,121.904) 3(28.702,122.539) 3(28.702,123.174) 3(28.702,123.809) 3(28.702,124.444) 3(29.21,121.904) 3(29.21,122.539) 3(29.21,123.174) 3(29.21,123.809) 3(29.21,124.444) 3(38.862,122.539) 3(38.862,123.174) 3(38.862,123.809) 3(38.862,124.444) 3(38.862,125.079) 3(39.37,122.539) 3(39.37,123.174) 3(39.37,123.809) 3(39.37,124.444) 3(39.37,125.079) 3(39.878,122.539) 3(39.878,123.174) 3(39.878,123.809) 3(39.878,124.444) 3(39.878,125.079) 3(40.386,122.539) 3(40.386,123.174) 3(40.386,123.809) 3(40.386,124.444) 3(40.386,125.079) 3(40.894,122.539) 3(40.894,123.174) 3(40.894,123.809) 3(40.894,124.444) 3(40.894,125.079) 3(50.419,122.539) 3(50.419,123.174) 3(50.419,123.809) 3(50.419,124.444) 3(50.419,125.079) 3(50.927,122.539) 3(50.927,123.174) 3(50.927,123.809) 3(50.927,124.444) 3(50.927,125.079) 3(51.435,122.539) 3(51.435,123.174) 3(51.435,123.809) 3(51.435,124.444) 3(51.435,125.079) 3(51.943,122.539) 3(51.943,123.174) 3(51.943,123.809) 3(51.943,124.444) 3(51.943,125.079) 3(52.451,122.539) 3(52.451,123.174) 3(52.451,123.809) 3(52.451,124.444) 3(52.451,125.079) 3(62.23,122.539) 3(62.23,123.174) 3(62.23,123.809) 3(62.23,124.444) 3(62.23,125.079) 3(62.738,122.539) 3(62.738,123.174) 3(62.738,123.809) 3(62.738,124.444) 3(62.738,125.079) 3(63.246,122.539) 3(63.246,123.174) 3(63.246,123.809) 3(63.246,124.444) 3(63.246,125.079) 3(63.754,122.539) 3(63.754,123.174) 3(63.754,123.809) 3(63.754,124.444) 3(63.754,125.079) 3(64.262,122.539) 3(64.262,123.174) 3(64.262,123.809) 3(64.262,124.444) 3(64.262,125.079) 3(74.041,122.539) 3(74.041,123.174) 3(74.041,123.809) 3(74.041,124.444) 3(74.041,125.079) 3(74.549,122.539) 3(74.549,123.174) 3(74.549,123.809) 3(74.549,124.444) 3(74.549,125.079) 3(75.057,122.539) 3(75.057,123.174) 3(75.057,123.809) 3(75.057,124.444) 3(75.057,125.079) 3(75.565,122.539) 3(75.565,123.174) 3(75.565,123.809) 3(75.565,124.444) 3(75.565,125.079) 3(76.073,122.539) 3(76.073,123.174) 3(76.073,123.809) 3(76.073,124.444) 3(76.073,125.079) 3(85.852,122.539) 3(85.852,123.174) 3(85.852,123.809) 3(85.852,124.444) 3(85.852,125.079) 3(86.36,122.539) 3(86.36,123.174) 3(86.36,123.809) 3(86.36,124.444) 3(86.36,125.079) 3(86.868,122.539) 3(86.868,123.174) 3(86.868,123.809) 3(86.868,124.444) 3(86.868,125.079) 3(87.376,122.539) 3(87.376,123.174) 3(87.376,123.809) 3(87.376,124.444) 3(87.376,125.079) 3(87.884,122.539) 3(87.884,123.174) 3(87.884,123.809) 3(87.884,124.444) 3(87.884,125.079) 3(97.663,122.539) 3(97.663,123.174) 3(97.663,123.809) 3(97.663,124.444) 3(97.663,125.079) 3(98.171,122.539) 3(98.171,123.174) 3(98.171,123.809) 3(98.171,124.444) 3(98.171,125.079) 3(98.679,122.539) 3(98.679,123.174) 3(98.679,123.809) 3(98.679,124.444) 3(98.679,125.079) 3(99.187,122.539) 3(99.187,123.174) 3(99.187,123.809) 3(99.187,124.444) 3(99.187,125.079) 3(99.695,122.539) 3(99.695,123.174) 3(99.695,123.809) 3(99.695,124.444) 3(99.695,125.079) 3(109.347,122.539) 3(109.347,123.174) 3(109.347,123.809) 3(109.347,124.444) 3(109.347,125.079) 3(109.855,122.539) 3(109.855,123.174) 3(109.855,123.809) 3(109.855,124.444) 3(109.855,125.079) 3(110.363,122.539) 3(110.363,123.174) 3(110.363,123.809) 3(110.363,124.444) 3(110.363,125.079) 3(110.871,122.539) 3(110.871,123.174) 3(110.871,123.809) 3(110.871,124.444) 3(110.871,125.079) 3(111.379,122.539) 3(111.379,123.174) 3(111.379,123.809) 3(111.379,124.444) 3(111.379,125.079)
  round 0.8 hole 0.5: 2(132.588,56.118) 2(132.676,71.866) 2(132.676,73.009) 2(132.676,75.295) 2(132.715,57.404) 2(132.715,58.674) 2(132.715,59.928) 2(132.715,61.198) 2(132.715,62.468) 2(132.715,63.754) 2(132.715,64.831) 2(132.715,66.294) 2(132.715,67.675) 2(132.715,68.834) 2(132.715,70.215) 2(132.715,74.152) 2(132.715,76.454) 2(132.715,77.978) 2(132.715,79.375) 2(132.715,80.518) 4(13.748,89.918) 4(14.442,80.847) 4(14.478,76.581) 4(14.478,84.881) 4(14.587,72.39) 4(14.605,90.424) 4(15.113,81.518) 4(15.113,85.516) 4(15.24,72.973) 4(15.24,77.243) 4(15.544,90.662) 4(15.823,82.026) 4(15.875,73.608) 4(15.875,86.278) 4(15.959,77.962) 4(16.51,90.551) 4(16.764,73.771) 4(16.764,77.962) 4(16.764,82.153) 4(16.764,86.344) 4(17.526,90.535) 4(17.653,77.962) 4(17.653,82.153) 4(17.653,86.344) 4(17.791,73.771) 4(18.542,82.153) 4(18.542,86.344) 4(18.542,90.662) 4(18.584,77.962) 4(18.817,73.771) 4(19.431,82.153) 4(19.431,86.344) 4(19.558,90.662) 4(19.611,77.962) 4(19.844,73.771) 4(20.32,82.153) 4(20.32,86.344) 4(20.32,91.551) 4(20.638,77.962) 4(20.87,73.771) 4(21.082,92.313) 4(21.209,86.344) 4(21.336,82.153) 4(21.664,77.962) 4(21.971,73.771) 4(22.098,86.335) 4(22.225,82.153) 4(22.691,77.962) 4(22.987,86.344) 4(22.998,73.771) 4(23.114,82.153) 4(23.717,77.962) 4(23.903,86.879) 4(24.003,82.153) 4(24.024,73.771) 4(24.511,87.614) 4(24.744,77.962) 4(24.892,82.153) 4(25.051,73.771) 4(25.77,77.962) 4(25.781,82.153) 4(26.077,73.771) 4(26.67,82.153) 4(26.797,77.962) 4(27.104,73.771) 4(27.559,82.153) 4(27.813,77.962) 4(28.131,73.771) 4(28.448,82.153) 4(28.702,77.962) 4(29.157,73.771) 4(29.21,82.534) 4(29.591,77.962) 4(29.845,83.169) 4(30.184,73.771) 4(30.48,77.962) 4(31.21,73.771) 4(31.369,77.962) 4(32.237,73.771) 4(32.258,77.962) 4(33.147,77.953) 4(33.263,73.771) 4(34.036,77.962) 4(34.29,73.771) 4(35.179,77.962) 4(35.433,73.762) 4(36.322,77.962) 4(36.46,73.762) 4(37.338,77.962) 4(37.486,73.762) 4(38.354,77.962) 4(38.513,73.762) 4(38.989,78.724) 4(39.539,73.762) 4(39.751,79.486) 4(40.513,80.248) 4(40.566,73.762) 4(41.592,73.762) 4(42.619,73.762) 4(43.646,73.762) 4(44.672,73.762) 4(45.699,73.762) 4(46.725,73.762) 4(47.752,73.762) 4(48.641,74.66) 4(49.53,75.549) 4(50.292,76.311) 4(51.054,77.073) 4(114.808,109.585) 4(114.808,110.982) 4(114.808,112.252) 4(114.808,113.649) 4(114.808,114.792) 4(115.983,109.585) 4(115.983,110.982) 4(115.983,112.252) 4(115.983,113.649) 4(115.983,114.792) 4(117.157,109.585) 4(117.157,110.982) 4(117.157,112.252) 4(117.157,113.649) 4(117.157,114.792) 4(118.332,109.585) 4(118.332,110.982) 4(118.332,112.252) 4(118.332,113.649) 4(118.332,114.792) 4(119.507,109.585) 4(119.507,110.982) 4(119.507,112.252) 4(119.507,113.649) 4(119.507,114.792) 4(120.682,109.585) 4(120.682,110.982) 4(120.682,112.252) 4(120.682,113.649) 4(120.682,114.792) 4(121.856,109.585) 4(121.856,110.982) 4(121.856,112.252) 4(121.856,113.649) 4(121.856,114.792) 4(123.031,109.585) 4(123.031,110.982) 4(123.031,112.252) 4(123.031,113.649) 4(123.031,114.792) 4(124.206,109.585) 4(124.206,110.982) 4(124.206,112.252) 4(124.206,113.649) 4(124.206,114.792) 4(126.492,106.664) 4(126.492,108.061) 4(126.492,109.331) 4(126.492,110.728) 4(126.492,111.871) 4(126.492,113.268) 4(126.492,114.665) 4(126.492,115.935) 4(127.667,106.664) 4(127.667,108.061) 4(127.667,109.331) 4(127.667,110.728) 4(127.667,111.871) 4(127.667,113.268) 4(127.667,114.665) 4(127.667,115.935) 4(128.841,106.664) 4(128.841,108.061) 4(128.841,109.331) 4(128.841,110.728) 4(128.841,111.871) 4(128.841,113.268) 4(128.841,114.665) 4(128.841,115.935) 4(130.016,106.664) 4(130.016,108.061) 4(130.016,109.331) 4(130.016,110.728) 4(130.016,111.871) 4(130.016,113.268) 4(130.016,114.665) 4(130.016,115.935) 4(131.191,106.664) 4(131.191,108.061) 4(131.191,109.331) 4(131.191,110.728) 4(131.191,111.871) 4(131.191,113.268) 4(131.191,114.665) 4(131.191,115.935) 4(132.366,106.664) 4(132.366,108.061) 4(132.366,109.331) 4(132.366,110.728) 4(132.366,111.871) 4(132.366,113.268) 4(132.366,114.665) 4(132.366,115.935) 4(133.54,106.664) 4(133.54,108.061) 4(133.54,109.331) 4(133.54,110.728) 4(133.54,111.871) 4(133.54,113.268) 4(133.54,114.665) 4(133.54,115.935) 4(134.715,106.664) 4(134.715,108.061) 4(134.715,109.331) 4(134.715,110.728) 4(134.715,111.871) 4(134.715,113.268) 4(134.715,114.665) 4(134.715,115.935) 4(135.89,106.664) 4(135.89,108.061) 4(135.89,109.331) 4(135.89,110.728) 4(135.89,111.871) 4(135.89,113.268) 4(135.89,114.665) 4(135.89,115.935)

## Via types
v1: diameter 0.5, hole 0.3, Top Layer to Bottom Layer, tented both sides, 758 vias
v2: diameter 0.6, hole 0.4, Top Layer to Bottom Layer, tented both sides, 698 vias
v3: diameter 0.8, hole 0.5, Top Layer to Bottom Layer, tented both sides, 22 vias
v4: diameter 0.6, hole 0.43, Top Layer to Bottom Layer, tented both sides, 8 vias
v5: diameter 0.5, hole 0.3, Top Layer to Bottom Layer, 3 vias
v6: diameter 0.6, hole 0.3, Top Layer to Bottom Layer, tented both sides, 2 vias